# Altium PCB PFC_Stage.PcbDoc (part 1 of 5)
Units mil, origin at the board's own origin, x right, y up, seen from the top; angles counter-clockwise.
Board outline 14960.63 x 6299.21 mil, 2 copper layers (Top Layer, Bottom Layer), stack 64.567 mil thick; 586 components, 249 nets, 1375 pads, 1157 vias.
Unrouted connection lines stored in the file: 732.
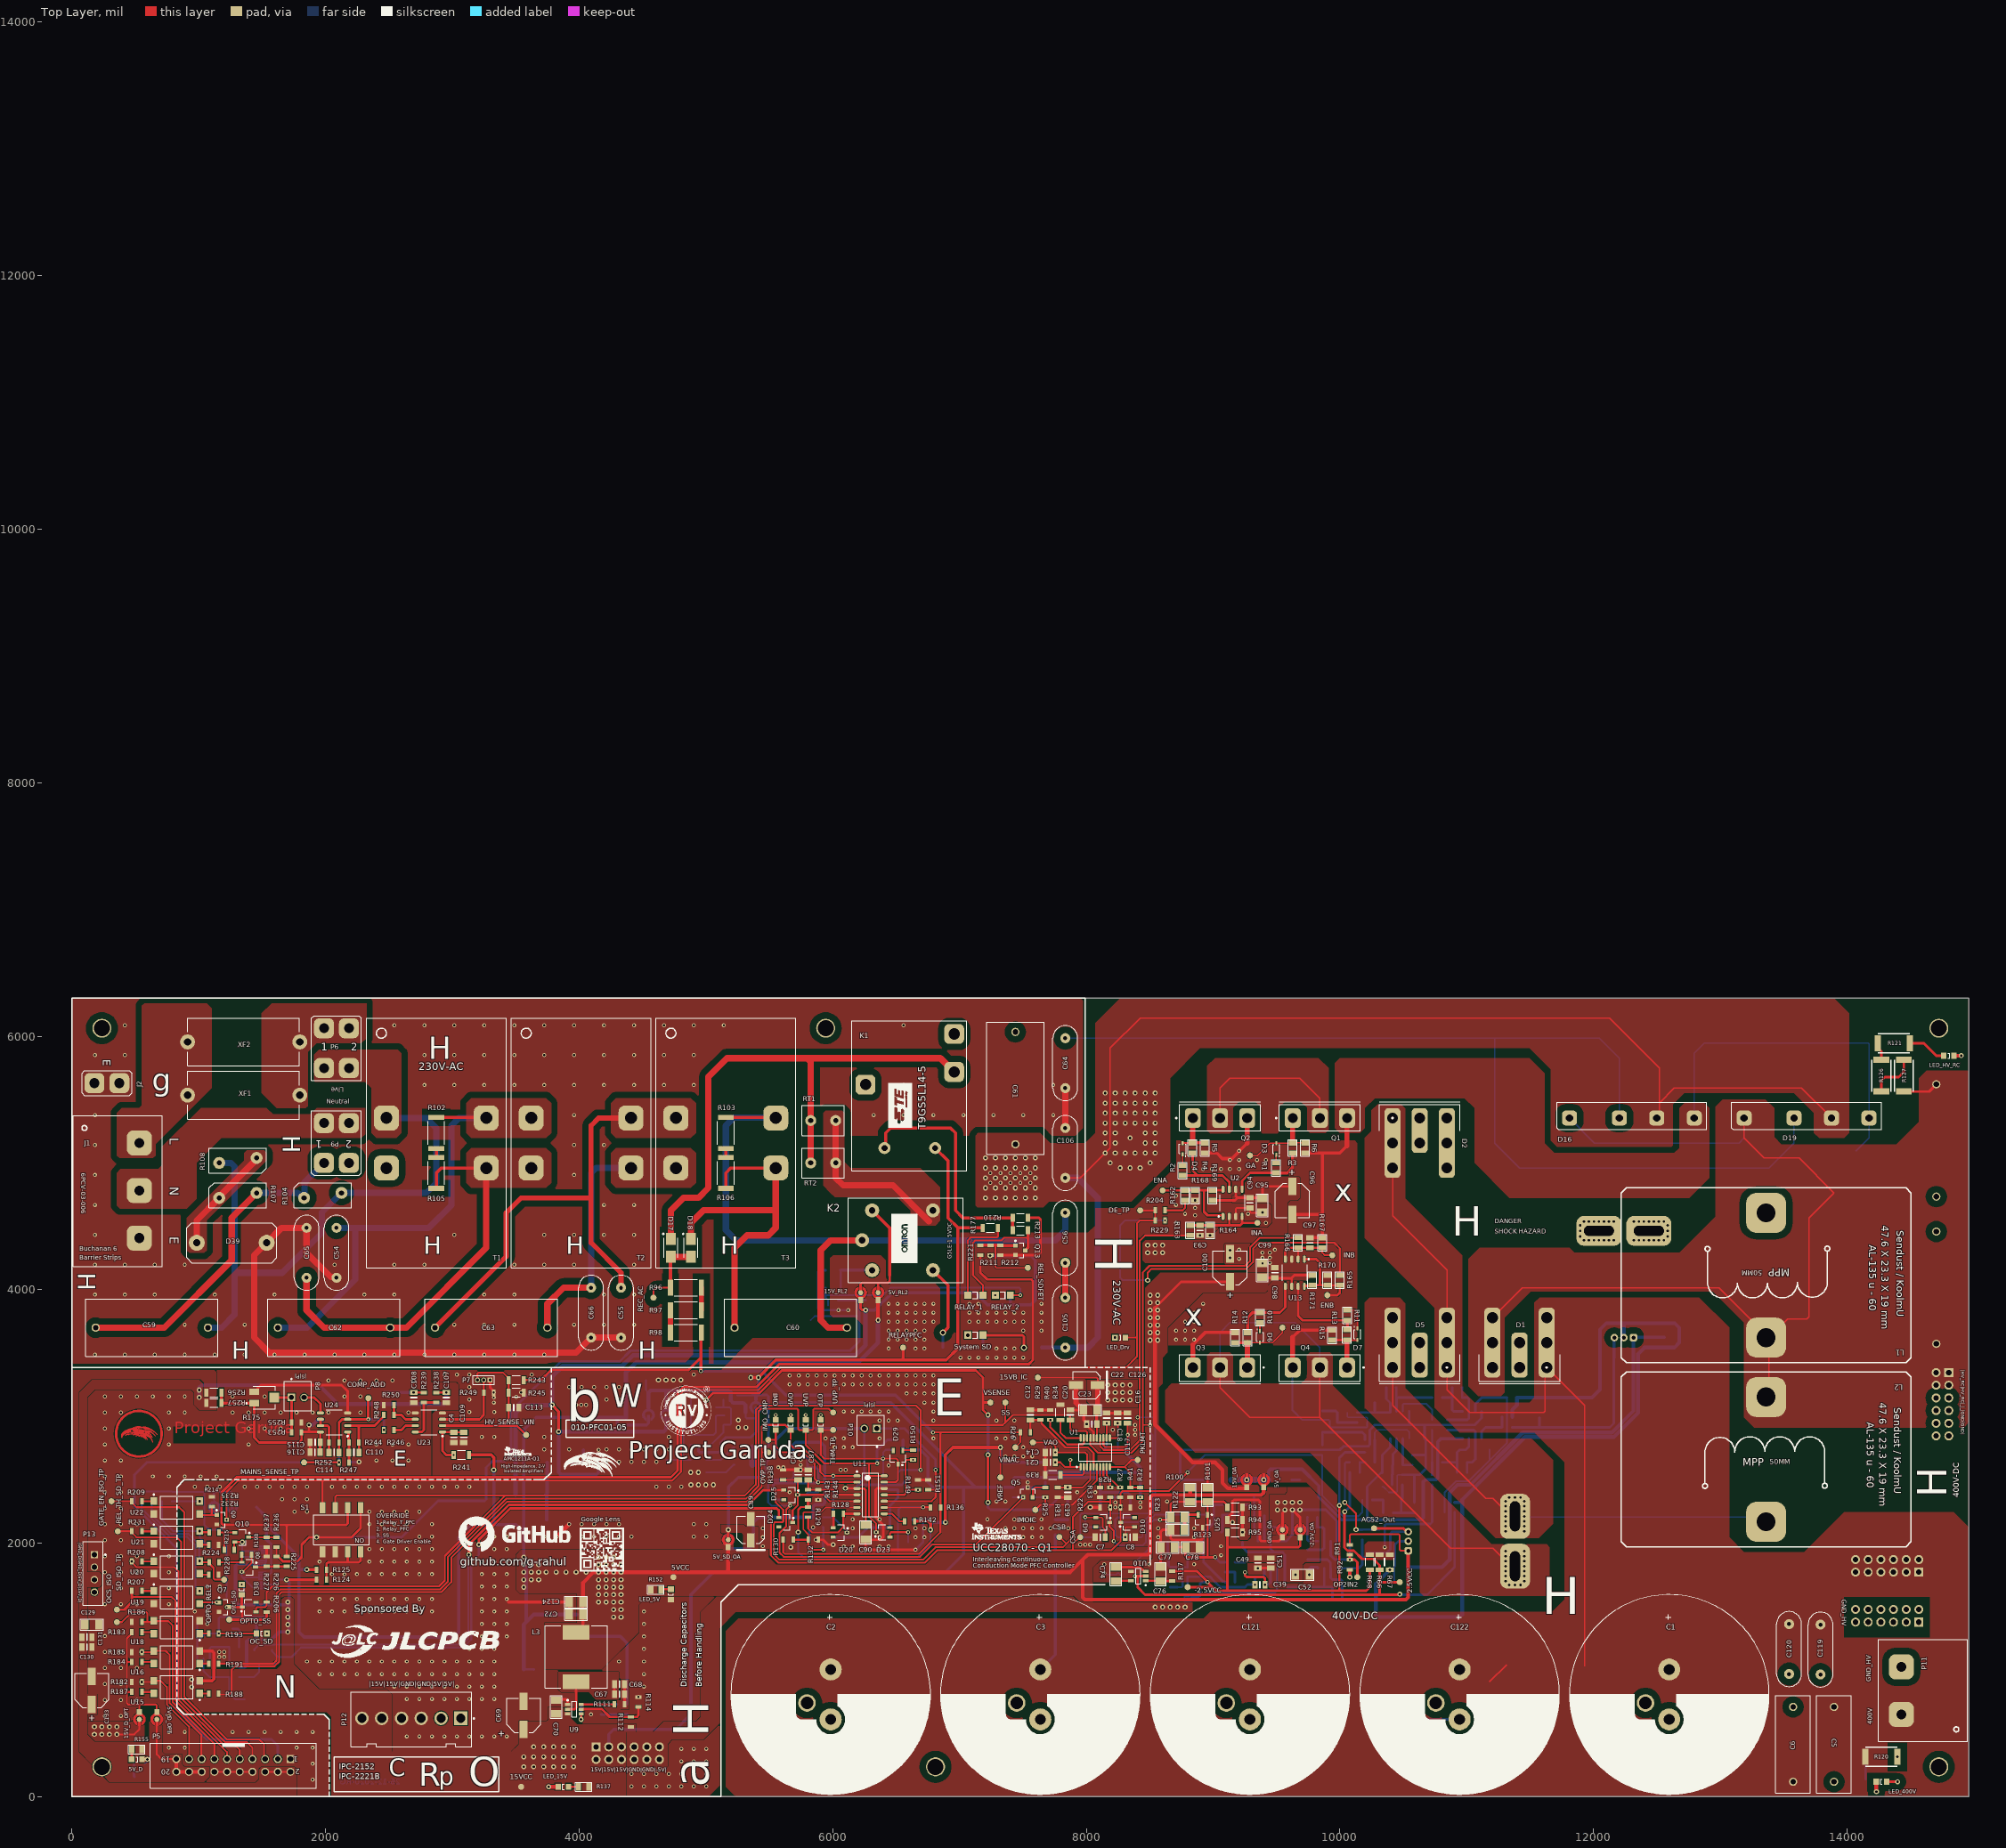
[diagram p0: Top Layer view]
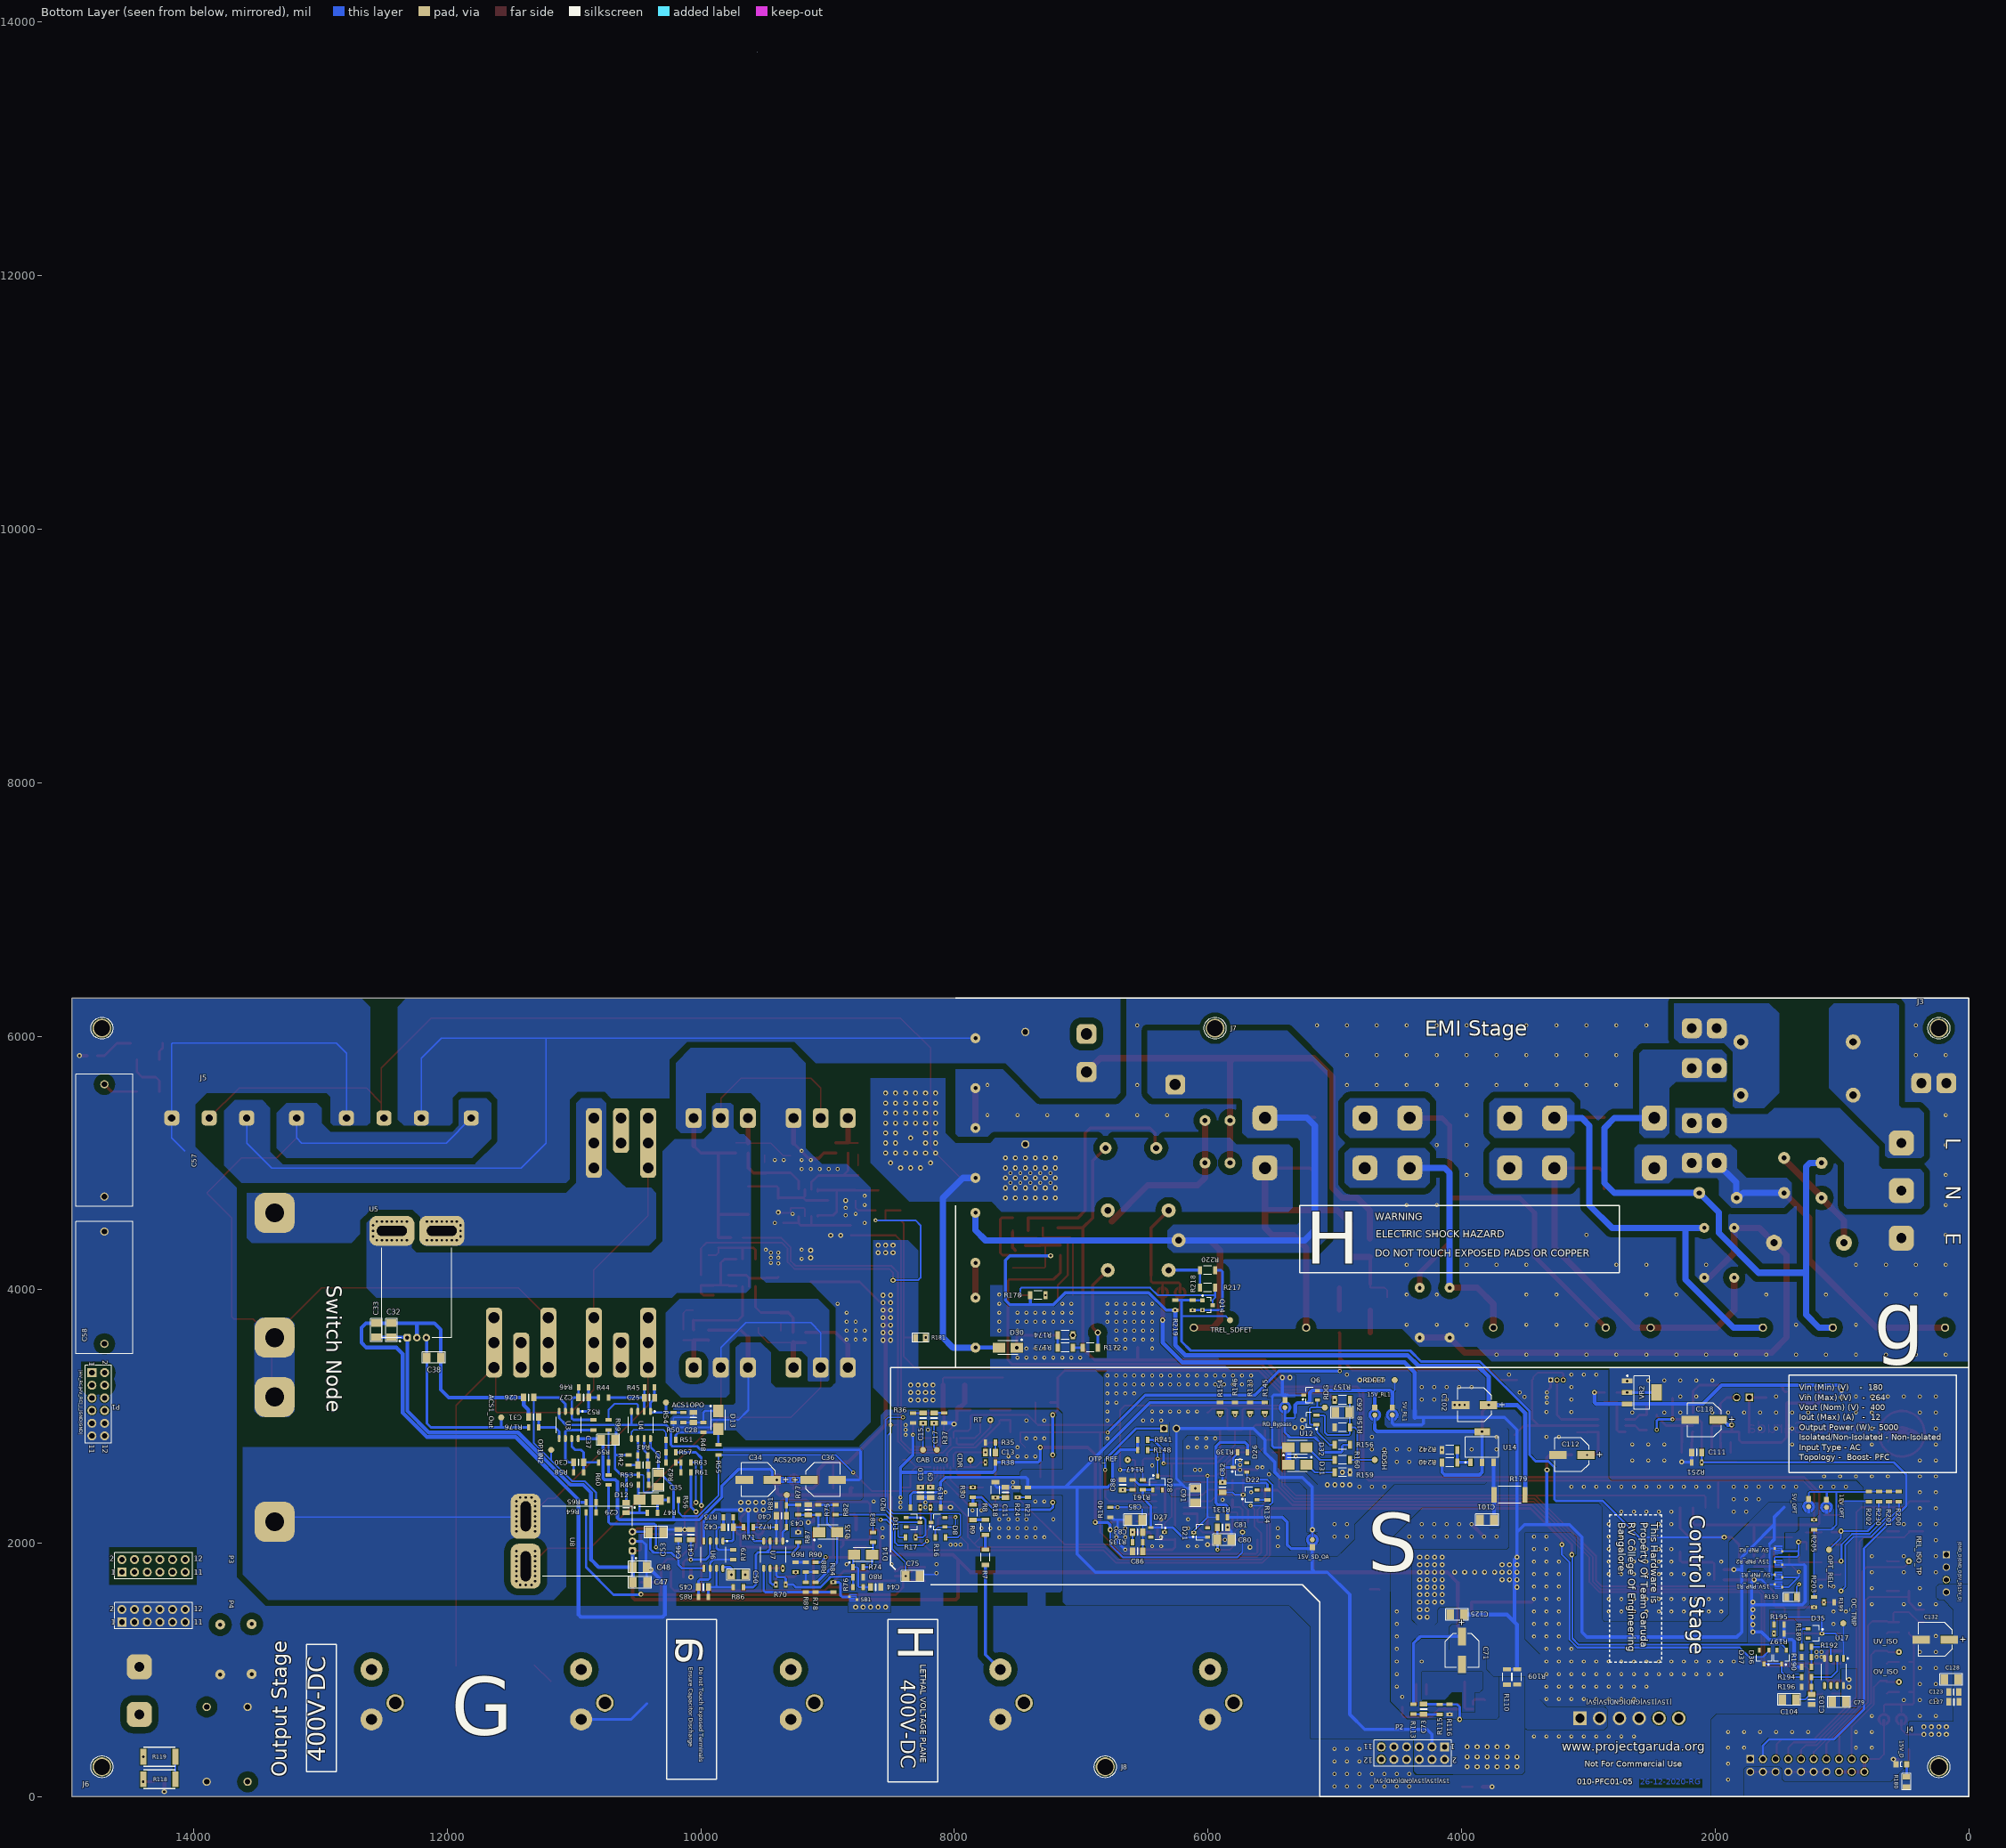
[diagram p1: Bottom Layer view, seen from below]

## Layer stack, top to bottom
Top Solder: solder mask 0.4, Solder Resist, Dk 3.5
Top Layer: signal copper 2.7559
Dielectric 1: dielectric 59.0551, FR-4, Dk 4.8
Bottom Layer: signal copper 2.7559
Bottom Solder: solder mask 0.4, Solder Resist, Dk 3.5

## Board outline
0,0 14960.63,0 14960.63,6299.21 0,6299.21

## Design rules (kind name [scope] priority, off if disabled: settings)
Clearance "Schematic Clearance Constraint" [InNetClass('HV')] p1: gap=50 ignorepadtopadclearanceinfootprint=TRUE except(0: Arc-Hole Track-Hole SMDPad-Hole THPad-Hole Via-Hole Fill-Hole Poly-Hole Region-Hole Text-Hole; 10: Arc-Text Track-Text SMDPad-Text THPad-Text Via-Text Fill-Text Poly-Text Region-Text Text-Text)
Clearance [All] p2: gap=6 ignorepadtopadclearanceinfootprint=FALSE except(7.87: Arc-THPad Arc-Via Arc-Hole Track-THPad Track-Via Track-Hole SMDPad-Via SMDPad-Hole THPad-THPad THPad-Via THPad-Hole Via-Via Via-Hole Fill-Hole Poly-Hole Region-Hole Text-Hole)
Height [All] p1: minheight=0 maxheight=3937.01 prefheight=500
HoleSize [All] p1: absolutevalues=TRUE maxlimit=236.22 minlimit=7.87 maxpercent=80.000 minpercent=20.000
HoleToHoleClearance [All] p1: gap=19.68 allowstackedmicrovias=TRUE
MinimumAnnularRing [All] p1: minimumring=5.12
MinimumSolderMaskSliver [InPadClass('All Pads')] p1: minsoldermaskwidth=3.94
PolygonConnect PolygonConnect_HV [InNetClass('HV')] p1: connectstyle=Direct reliefconductorwidth=10 reliefentries=4 polygonreliefangle="90 Angle" airgapwidth=10
PolygonConnect [All] p2: connectstyle=Direct reliefconductorwidth=10 reliefentries=4 polygonreliefangle="90 Angle" airgapwidth=10
RoutingVias [All] p1: holewidth=15.75 width=31.5 viastyle="Through Hole" minholewidth=11.81 minwidth=23.62 maxholewidth=78.74 maxwidth=157.48
SolderMaskExpansion SolderMaskExpansion_Via [IsVia] p1: expansion=4 istentingtop=TRUE
SolderMaskExpansion [All] p2: expansion=1.97 istentingtop=FALSE
Width [All] p1: maxlimit=100 minlimit=10 preferedwidth=10 minimp=50.000000 maximp=50.000000 favimp=50.000000
26 further rules are at their usual default settings.

## Classes and differential pairs
net class HV: 400V+ Chassis HV_RC J1L_2 J1N_2 LIVE_2 NetC54_2 NetC55_2 NetC56_2 NetC59_1 NetC59_2 NetC62_1 NetC63_1 NetD2_3 NetD5_3 NetK2_3 NetP6_1 NetQ1_2 NetQ3_2 NEUTRAL_2 REC_AC_Sense_2 System_Off_2
component class U_UCC28070_Control: 15VB_IC C7 C8 C9 C10 C11 C12 C13 C14 C15 C16 C17 C18 C19 C20 C21 C22 C23 C117 C126 CAB CAO CDR CSA CSB D8 D9 D10 D11 IMOIC PKLMT Q5 R16 R17 R18 R19 R20 R21 R22 R23 R24 R25 R26 R27 R28 R29 R30 R31 R32 R33 R34 R35 R36 R37 R38 R39 R40 R41 RT SS U1 VAO VREF VSENSE
component class U_Shut_Down: 5V_SD_OA 15V_SD_OA C80 C81 C82 C83 C84 C85 C86 C87 C88 C89 C90 C91 D20 D21 D22 D23 D24 D25 D26 D27 D28 D29 IMO IMO_CMP OTP OTP_REF OVP OVP_TP P10 R128 R129 R130 R131 R132 R133 R134 R135 R136 R138 R139 R140 R141 R142 R143 R144 R145 R146 R147 R148 R149 R150 R151 R154 R161 THM_TP U11 UVP UVP_TP
component class U_Gate_Driver: C93 C94 C95 C96 C97 C98 C99 C100 ENA ENB INA INB R162 R163 R164 R165 R166 R167 R168 R169 R170 R171 U2 U13
component class U_External_connector_Power: 2.5VCC 5V_OA 5VCC 15V_OA 15VCC -2.5V_OA -2.5VCC C67 C68 C69 C70 C71 C72 C73 C74 C75 C76 C77 C78 C124 C125 GND_OA L3 LED_5V LED_15V P1 P2 P3 P4 P12 R100 R101 R109 R110 R111 R112 R113 R114 R115 R116 R117 R122 R123 R137 R152 SB1 U9 U10 U25
component class U_EMC_Stage: 5V_RL1 5V_RL2 15V_RL1 15V_RL2 C54 C55 C56 C59 C60 C61 C62 C63 C64 C65 C66 C92 C101 C102 C105 C106 D16 D17 D18 D19 D30 D31 D32 D39 J1 J2 K1 K2 P6 P9 Q6 Q13 Q14 R96 R97 R98 R102 R103 R104 R105 R106 R107 R108 R156 R157 R158 R159 R160 R172 R173 R174 R177 R178 R179 R210 R211 R212 R213 R217 R218 R219 R220 R221 R240 R242 RD_Bypass RDFET RDG RDSH REC_AC REL_SDFET RELAY_1 RELAY_2 RELAYPFC RT1 RT2 "System SD" T1 T2 T3 TREL_SDFET U12 U14 VINAC XF1 XF2
component class U_Edge_Card_Interface: 5V_D 5V_D_OPT 5V_OPT 5V_PNP_R1 5V_PNP_R2 15V_D 15V_D_OPT 15V_OPT 15V_PNP_R1 15V_PNP_R2 C79 C103 C104 C123 C127 C128 C129 C130 C131 C132 C133 Cntrl_SD D35 D36 D37 D38 DE_TP GATE_EN_ISO_TP LED_Drv OC_SD OC_TRIP OCS_ISO OPT_REL2 OPTO_REL1 OPTO_SS OV_ISO P5 P13 Q7 Q8 Q9 Q10 R124 R125 R153 R155 R180 R181 R182 R183 R184 R185 R186 R187 R188 R189 R190 R191 R192 R193 R194 R195 R196 R197 R198 R199 R200 R201 R202 R203 R204 R205 R206 R207 R208 R209 R214 R215 R224 R225 R226 R227 R228 R229 R230 R231 R232 R235 R236 R237 REL_ISO_TP REL_TH_SD_TP S1 SD_ISO_TP U15 U16 U17 U18 U19 U20 U21 U22 UV_ISO
component class U_Current_Sense_2: ACS2_Out ACS2OPO C39 C40 C41 C42 C43 C44 C45 C46 C47 C48 C49 C50 C51 C52 C53 D14 D15 OP2IN2 R69 R70 R71 R72 R73 R74 R75 R76 R77 R78 R79 R80 R81 R82 R83 R84 R85 R86 R87 R88 R89 R90 R91 R92 R93 R94 R95 U6 U7 U8
component class U_Current_Sense_1: ACS1_Out ACS1OPO C24 C25 C26 C27 C28 C29 C30 C31 C32 C33 C34 C35 C36 C37 C38 D12 D13 OP1IN2 R42 R43 R44 R45 R46 R47 R48 R49 R50 R51 R52 R53 R54 R55 R56 R57 R58 R59 R60 R61 R62 R63 R64 R65 R66 R67 R68 R99 R176 U3 U4 U5
component class "U_AC mains Sensing": C4 C107 C108 C109 C110 C111 C112 C113 C114 C115 C116 C118 COMP_ADD HV_SENSE_VIN MAINS_SENSE_TP P7 P8 R175 R238 R239 R241 R243 R244 R245 R246 R247 R248 R249 R250 R251 R252 R253 R255 R256 R257 U23 U24 VR2
component class PFC_Stage: C1 C2 C3 C5 C6 C57 C58 C119 C120 C121 C122 D1 D2 D3 D4 D5 D6 D7 GA GB J3 J4 J5 J6 J7 J8 L1 L2 LED_400V LED_HV_RC P11 Q1 Q2 Q3 Q4 R1 R2 R3 R4 R5 R6 R7 R8 R9 R10 R11 R12 R13 R14 R15 R118 R119 R120 R121 R126 R127

## Components (designator, comment, footprint, x,y, rotation, side; value= is the part's Value field where it differs from the comment)
2.5VCC "Test Point" Test_point_SMD 10472.44,1692.91 r90 top
5V_D "150080GS75000" 0805_A 511.81,295.28 r180 top
5V_D_OPT "Open" "Solder Bridge - HP" 669.29,610.24 r270 top
5V_OA "Open" "SOLDER BRIDGE - HP" 9400,2500 r90 top
5V_OPT "Open" "Solder Bridge - HP" 1262.91,2288.9 r270 bottom
5V_PNP_R1 "Open" "Solder Bridge - HP - SQ" 1500.98,1740.97 r0 bottom
5V_PNP_R2 "Open" "Solder Bridge - HP - SQ" 1500.98,1946.85 r0 bottom
5V_RL1 "Open" "Solder Bridge - HP" 4547.24,3011.81 r270 bottom
5V_RL2 "Open" "Solder Bridge - HP" 6358.27,3976.38 r90 top
5V_SD_OA "Open" "Solder Bridge - HP" 5176.02,2027.56 r90 top
5VCC "Test Point" Test_point_SMD 4744.09,1732.28 r90 top
15V_D "150080GS75000" 0805_A 531.5,255.91 r180 bottom
15V_D_OPT "Open" "Solder Bridge - HP" 531.5,610.24 r270 top
15V_OA "Open" "SOLDER BRIDGE - HP" 9265.75,2500 r90 top
15V_OPT "Open" "Solder Bridge - HP" 1122.05,2283.46 r270 bottom
15V_PNP_R1 "Open" "Solder Bridge - HP - SQ" 1500.98,1664.54 r0 bottom
15V_PNP_R2 "Open" "Solder Bridge - HP - SQ" 1500.98,1841.38 r180 bottom
15V_RL1 "Open" "Solder Bridge - HP" 4685.04,3011.81 r270 bottom
15V_RL2 "Open" "Solder Bridge - HP" 6220.47,3976.38 r90 top
15V_SD_OA "Open" "Solder Bridge - HP" 5177.17,2027.56 r90 bottom
15VB_IC "Test Point" Test_point_SMD 7618.11,3307.09 r90 top
15VCC "Test Point" Test_point_SMD 3543.31,78.74 r90 top
-2.5V_OA "Open" "Solder Bridge - HP" 9687.01,2106.3 r90 top
-2.5VCC "Test Point" Test_point_SMD 8799.21,1653.54 r90 top
ACS1_Out "Test Point" Test_point_SMD 11574.8,2992.13 r90 bottom
ACS1OPO "Test Point" Test_point_SMD 10275.59,3110.24 r90 bottom
ACS2_Out "Test Point" Test_point_SMD 10269.33,2117.63 r90 top
ACS2OPO "Test Point" Test_point_SMD 9323.33,2380.91 r90 bottom
C1 "40mm" 450V_40mm_10mm 12598.43,1003.94 r270 top value=1000uF
C2 "40mm" 450V_40mm_10mm 5984.25,1003.94 r270 top value=1000uF
C3 "40mm" 450V_40mm_10mm 7637.8,1003.94 r270 top value=1000uF
C4 "100nF" SMD-0805C 3011.81,2834.65 r0 top
C5 "100nF, 630V" L18_W6_H12_P15 13897.64,413.39 r90 top
C6 "100nF, 630V" L18_W6_H12_P15 13574.8,413.39 r270 top
C7 "Cap_0805" SMD-0805C 8110.24,2047.24 r90 top value=100pF
C8 "Cap_0805" SMD-0805C 8346.46,2047.24 r270 top value=100pF
C9 "Cap_0805" SMD-0805C 8188.98,2401.57 r0 bottom value=100pF
C10 "Cap_0805" SMD-0805C 8267.72,2401.57 r0 bottom value=100pF
C11 "Cap_0805" SMD-0805C 7598.43,2401.57 r0 bottom value=100pF
C12 "Cap_0805" SMD-0805C 7559.06,3011.81 r180 top value=100pF
C13 "Cap_0805" SMD-0805C 7716.54,2716.54 r90 bottom value=100pF
C14 "Cap_0805" SMD-0805C 7716.55,2716.54 r270 top value=100pF
C15 "Cap_0805" SMD-0805C 8248.02,2987.07 r0 bottom value=100pF
C16 "Cap_0805" SMD-0805C 8248.02,2987.08 r180 top value=330pF
C17 "Cap_0805" SMD-0805C 8161.07,2987.41 r0 bottom value=100pF
C18 "Cap_0805" SMD-0805C 8161.07,2987.42 r180 top value=330pF
C19 "Cap_0805" SMD-0805C 7854.33,2400.94 r0 top value=100pF
C20 "Cap_0805" SMD-0805C 7874.02,3011.81 r180 top value=100pF
C21 "Cap_0805" SMD-0805C 7716.54,2637.8 r270 top value=100pF
C22 "EEEFP1E220AR" PNSC-FP-V-C_V 8004.06,3247.36 r180 top
C23 "Cap_1206" SMD-1206C 8031.5,3051.18 r270 top value=100nF
C24 "Cap_0805" SMD-0805C 10457.03,2618.11 r90 bottom value=100pF
C25 "Cap_0805" SMD-0805C 10405.41,3148.66 r90 bottom value=100pF
C26 "Cap_0805" SMD-0805C 11358.27,3149.61 r90 bottom value=100nF
C27 "Cap_0805" SMD-0805C 10925.2,3149.61 r90 bottom value=100pF
C28 "Cap_0805" SMD-0805C 10059.06,2992.13 r180 bottom value=100pF
C29 "Cap_0805" SMD-0805C 10588.52,2280.68 r180 bottom value=100pF
C30 "Cap_0805" SMD-0805C 10964.57,2637.8 r270 bottom value=100pF
C31 "Cap_0805" SMD-0805C 11319.53,2997.13 r90 bottom value=100nF
C32 "Cap_1206" SMD-1206C 12440.94,3681.1 r180 bottom value=1nF
C33 "Cap_1206" SMD-1206C 12559.06,3681.1 r180 bottom value=1nF
C34 "33uF, 25V" WCAP-ASLL_6.3x5.5 9547.24,2500 r180 bottom
C35 "Cap_1206" SMD-1206C 10334.65,2500 r0 bottom value=100nF
C36 "33uF, 25V" WCAP-ASLL_6.3x5.5 9035.43,2500 r0 bottom
C37 "Cap_1206" SMD-1206C 10732.4,2814.96 r270 bottom value=100nF
C38 "Cap_1206" SMD-1206C 12106.3,3464.57 r270 bottom value=1nF
C39 "Cap_0805" SMD-0805C 9370.08,1673.23 r270 top value=100pF
C40 "Cap_0805" SMD-0805C 9364.72,2216.92 r90 bottom value=100pF
C41 "Cap_0805" SMD-0805C 10078.74,2066.93 r180 bottom value=100nF
C42 "Cap_0805" SMD-0805C 9783.46,2125.98 r90 bottom value=100pF
C43 "Cap_0805" SMD-0805C 9153.54,2263.78 r180 bottom value=100pF
C44 "Cap_0805" SMD-0805C 8622.05,1653.54 r270 bottom value=100pF
C45 "Cap_0805" SMD-0805C 9980.32,1653.54 r270 bottom value=100pF
C46 "Cap_0805" SMD-0805C 10177.17,2067.56 r180 bottom value=100nF
C47 "Cap_1206" SMD-1206C 10480.94,1690.8 r270 bottom value=1nF
C48 "Cap_1206" SMD-1206C 10482.66,1812.12 r270 bottom value=1nF
C49 "Cap_0805" SMD-0805C 9354.17,1843.99 r0 top value=100nF
C50 "Cap_1206" SMD-1206C 9704.72,1751.97 r270 bottom value=100nF
C51 "Cap_0805" SMD-0805C 9454.13,1843.99 r0 top value=100nF
C52 "Cap_1206" SMD-1206C 9704.72,1751.97 r90 top value=100nF
C53 "Cap_1206" SMD-1206C 10354.33,2086.61 r270 bottom value=1nF
C54 "VY1472M61Y5UC63V0" VY1472M61Y5UC63V0 2086.61,4094.49 r90 top value=4700pF
C55 "VY1472M61Y5UC63V0" VY1472M61Y5UC63V0 4330.71,3622.05 r90 top value=4700pF
C56 "VY1472M61Y5UC63V0" VY1472M61Y5UC63V0 7834.65,4212.6 r90 top value=4700pF
C57 "1uF, 275V" L26_W11_H20_P22.5_CS 14704.72,5177.17 r90 bottom
C58 "1uF, 275V" L26_W11_H20_P22.5_CS 14704.72,4015.75 r270 bottom
C59 "1uF, 275V" L26_W11_H20_P22.5_CS 629.92,3700.79 r0 top
C60 "1uF, 275V" L26_W11_H20_P22.5_CS 5669.29,3700.79 r0 top
C61 "1uF, 275V" L26_W11_H20_P22.5_CS 7440.94,5590.55 r90 top
C62 "1uF, 275V" L26_W11_H20_P22.5_CS 2066.93,3700.79 r180 top
C63 "1uF, 275V" L26_W11_H20_P22.5_CS 3307.09,3700.79 r180 top
C64 "VY1472M61Y5UC63V0" VY1472M61Y5UC63V0 7834.65,5590.55 r90 top value=4700pF
C65 "VY1472M61Y5UC63V0" VY1472M61Y5UC63V0 1850.39,4094.49 r90 top value=4700pF
C66 "VY1472M61Y5UC63V0" VY1472M61Y5UC63V0 4094.49,4015.75 r270 top value=4700pF
C67 "Cap_0805" SMD-0805C 4318.9,809.06 r270 top value=100pF
C68 "Cap_0805" SMD-0805C 4318.9,887.8 r270 top value=100pF
C69 "47uF, 25V" WCAP-ASLL_6.3x5.5 3562.99,641.73 r270 top
C70 "Cap_1206" SMD-1206C 3818.9,708.66 r180 top value=10uF
C71 "47uF, 25V" WCAP-ASLL_6.3x5.5 3996.06,1153.54 r90 bottom
C72 "Cap_1206" SMD-1206C 3976.38,1437.01 r270 top value=100nF
C73 "Cap_0805" SMD-0805C 4299.84,690.94 r180 bottom value=100pF
C74 "Cap_1206" SMD-1206C 8233.27,1756.72 r180 top value=100nF
C75 "Cap_1206" SMD-1206C 8329.78,1741.64 r270 bottom value=100nF
C76 "Cap_1206" SMD-1206C 8586.58,1756.72 r0 top value=100nF
C77 "Cap_1206" SMD-1206C 8641.73,1968.5 r90 top value=100nF
C78 "Cap_1206" SMD-1206C 8838.58,1968.5 r270 top value=100nF
C79 "Cap_1206" SMD-1206C 1023.62,748.03 r270 bottom value=100nF
C80 "Cap_1206" SMD-1206C 5872.05,2027.56 r90 bottom value=2.2uF
C81 "Cap_0805" SMD-0805C 5885.83,2125.98 r270 bottom value=100pF
C82 "Cap_0805" SMD-0805C 5885.83,2440.94 r0 bottom value=100pF
C83 "Cap_0805" SMD-0805C 6555.12,2086.61 r90 bottom value=100pF
C84 "Cap_0805" SMD-0805C 5728.35,2539.37 r0 top value=100pF
C85 "Cap_1206" SMD-1206C 6574.8,2185.04 r270 bottom value=2.2uF
C86 "Cap_0805" SMD-0805C 6554.84,1937.27 r90 bottom value=100pF
C87 "Cap_0805" SMD-0805C 5807.09,2539.37 r180 top value=100pF
C88 "Cap_0805" SMD-0805C 6673.23,2460.63 r180 bottom value=100pF
C89 "EEEFP1E220AR" PNSC-FP-V-C_V 5354.33,2106.3 r90 top
C90 "Cap_1206" SMD-1206C 6259.84,2086.61 r0 top value=100nF
C91 "Cap_1206" SMD-1206C 6100.14,2377.17 r180 bottom value=100nF
C92 "Cap_1206" SMD-1206C 4940.94,3031.5 r90 bottom value=100nF
C93 "F" SMD-0805C 8897.64,4468.5 r0 top value=0.33µF
C94 "0.10µF" SMD-0805C 9291.34,4685.04 r180 top
C95 "10µF" SMD-1206C 9389.76,4665.35 r180 top
C96 "47uF, 25V" WCAP-ASLU_6.3x7.7 9625.98,4704.72 r90 top
C97 "F" SMD-0805C 9763.78,4370.08 r180 top value=0.33µF
C98 "0.10µF" SMD-0805C 9488.19,4133.86 r0 top
C99 "10µF" SMD-1206C 9389.76,4153.54 r0 top
C100 "47uF, 25V" WCAP-ASLU_6.3x7.7 9133.86,4173.23 r270 top
C101 "2.2µF" SMD-1206C 3799.21,2185.04 r270 bottom
C102 "22uF, 35V" WCAP-ASLU_6.3x5.5 3897.64,3090.55 r180 bottom
C103 "Cap_0805" SMD-0805C 1240.16,767.72 r0 bottom value=100pF
C104 "Cap_1206" SMD-1206C 1417.32,767.72 r270 bottom value=2.2uF
C105 "VY1472M61Y5UC63V0" VY1472M61Y5UC63V0 7834.65,3543.31 r90 top value=4700pF
C106 "VY1472M61Y5UC63V0" VY1472M61Y5UC63V0 7834.65,4881.89 r90 top value=4700pF
C107 "0.10µF" SMD-0805C 2952.76,3149.61 r0 top
C108 "0.10µF" SMD-0805C 2696.85,3149.61 r0 top
C109 "10uF" SMD-0805C 3090.55,2834.65 r0 top
C110 "100nF" SMD-0805C 2224.41,2716.54 r270 top
C111 "100nF" SMD-0805C 2145.67,2716.54 r270 bottom
C112 "33uF, 25V" WCAP-ASLL_6.3x5.5 3129.92,2696.85 r180 bottom
C113 "100nF" SMD-0805C 3484.25,3070.87 r90 top
C114 "100nF" SMD-0805C 2066.93,2716.54 r270 top
C115 "100nF" SMD-0805C 1918.49,2795.28 r270 top
C116 "10uF" SMD-0805C 1917.66,2717.59 r270 top
C117 "Cap_0805" SMD-0805C 8326.28,2987.01 r180 top value=100pF
C118 "33uF, 25V" WCAP-ASLL_6.3x5.5 2086.61,2972.44 r180 bottom
C119 "VY1472M61Y5UC63V0" VY1472M61Y5UC63V0 13791.34,964.57 r90 top value=4700pF
C120 "VY1472M61Y5UC63V0" VY1472M61Y5UC63V0 13543.31,968.5 r90 top value=4700pF
C121 "40mm" 450V_40mm_10mm 9291.34,1003.94 r270 top locked value=1000uF
C122 "40mm" 450V_40mm_10mm 10944.88,1003.94 r270 top value=1000uF
C123 "1µF" SMD-0805C 118.11,826.77 r270 bottom
C124 "Cap_1206" SMD-1206C 3976.38,1535.43 r270 top value=100nF
C125 "Cap_1206" SMD-1206C 4035.43,1437.01 r270 bottom value=100nF
C126 "Cap_0805" SMD-0805C 8043.79,2940.18 r270 top value=330pF
C127 "1µF" SMD-0805C 117.48,748.03 r270 bottom
C128 "10µF" SMD-1206C 137.8,925.2 r270 bottom
C129 "10µF" SMD-1206C 157.48,1358.27 r90 top
C130 "1µF" SMD-0805C 118.11,1181.1 r90 top
C131 "1µF" SMD-0805C 118.11,1259.84 r90 top
C132 "47uF, 35V" WCAP-ASLU_6.3x7.7 263.78,1240.16 r180 bottom
C133 "47uF, 35V" WCAP-ASLU_6.3x7.7 157.48,838.58 r270 top
CAB "Test Point" Test_point_SMD 8248.03,2736.22 r180 bottom
CAO "Test Point" Test_point_SMD 8138.71,2736.22 r180 bottom
CDR "Test Point" Test_point_SMD 7874.02,2657.48 r180 bottom
Cntrl_SD "150080GS75000" 0805_A 1338.58,1633.86 r90 top
COMP_ADD "Test Point" Test_point_SMD 2337.31,3144.39 r90 top
CSA "Test Point" Test_point_SMD 7952.76,2047.24 r0 top